# Altium PCB PCB1-recovery2.PcbDoc (part 5 of 5)
Units mil, origin at the board's own origin, x right, y up, seen from the top; angles counter-clockwise.
Board outline 7874.02 x 4566.93 mil, 8 copper layers (HIGH_SPEED_TOP, GND PLANE1, LOW_SPEED, +1V8_3V3_5V, +12V, SIGNAL, GND_PLANE3, HIGH_SPEED_BOT), stack 62.99 mil thick; 506 components, 435 nets, 2446 pads, 256 vias.
Unrouted connection lines stored in the file: 953.
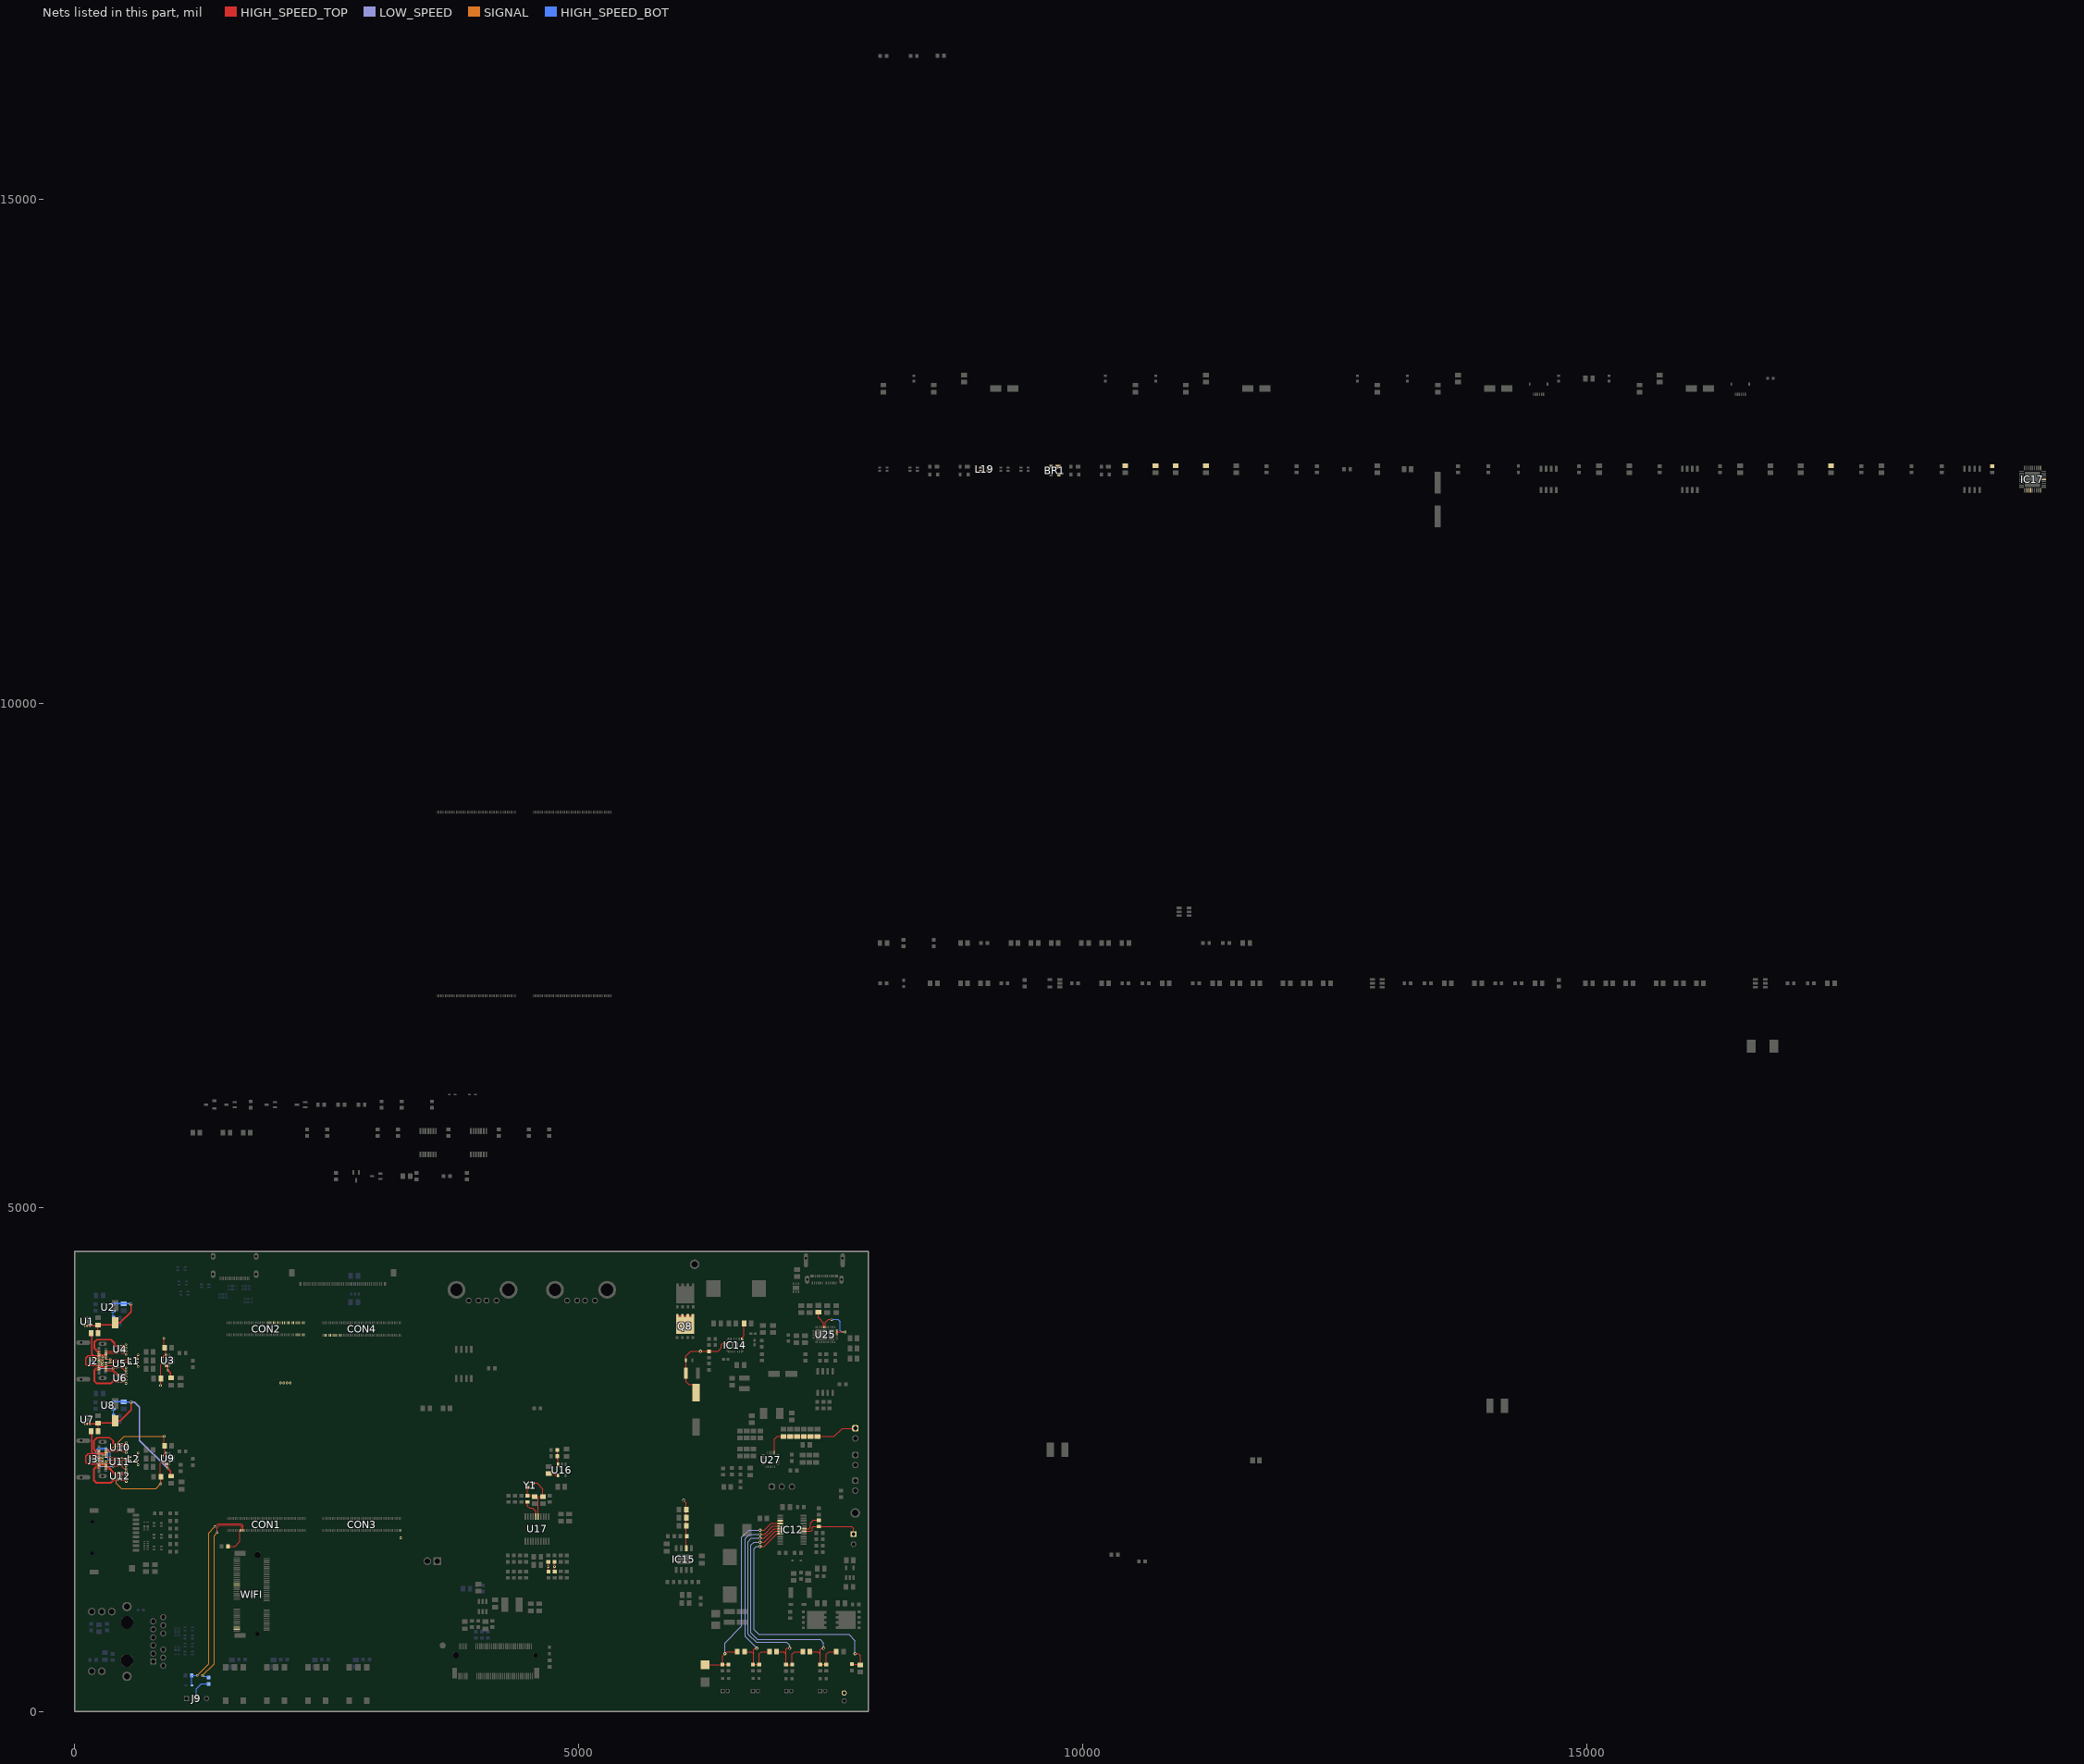
[diagram p11: the nets of this part, all layers, seen from the top]

## Via types
v1: diameter 32, hole 16, HIGH_SPEED_TOP to HIGH_SPEED_BOT, 119 vias
v2: diameter 24, hole 12, HIGH_SPEED_TOP to HIGH_SPEED_BOT, 112 vias
v3: diameter 23.62, hole 11.81, HIGH_SPEED_TOP to HIGH_SPEED_BOT, 24 vias
v4: diameter 40, hole 20, HIGH_SPEED_TOP to HIGH_SPEED_BOT, 1 vias

## Nets (pads, with @x,y where several pads share a name; then routed paths per layer and width w, separated by ;. In a path a pad name is that pad's centre, name@x,y a point inside that pad or via, vN(x,y) a via of type N, cw(c..) or ccw(c..) an arc to the next point about the centre after c; other vN are vias at no path point) (continued)
TX_M0: J9.2 R78.2 | length 234.5
  HIGH_SPEED_BOT w10: J9.2@1207,131 1207,226 1256.5,275.5 R78.2@1326,275.5
TYPE_CC1: C4.2 J2.A5 U3.10 U3.11 | length 244.8
  HIGH_SPEED_TOP w10: v2@273,3520 273.21,3519.79 305.72,3519.79 J2.A5@305.93,3519.58 ; U3.11@878.46,3513.83 878.46,3528.72 884.32,3534.58 U3.10@901.18,3534.58 901.18,3600.17 C4.2@890.75,3610.61 ; C4.2@883.88,3614.18 885,3615.3 v2@885,3705
  other v2: 272.9,3519.54 884.9,3704.54
TYPE_CC1_J3: C19.2 J3.A5 U9.10 U9.11 | length 933.5
  HIGH_SPEED_TOP w10: v2(274,2546) 274.21,2545.79 306.72,2545.79 J3.A5@306.93,2545.58 ; U9.11@862.78,2539.83 870.65,2539.83 883.53,2552.71 893.37,2552.71 894.28,2553.61 894.28,2627.05 C19.2@887.34,2633.99 ; C19.2@884.88,2640.18 886,2641.3 v2(886,2731)
  SIGNAL w10: v2(274,2546) 305,2546 490,2731 v2(886,2731)
TYPE_CC2: C5.2 J2.B5 U3.1 U3.14 | length 315.1
  HIGH_SPEED_TOP w10: J2.B5@239,3450.68 J2.B5@239.88,3449.78 259.39,3449.82 268.21,3441 v2@272,3441 ; v2@850,3235 850,3443 859.97,3452.97 868.78,3452.97 U3.14@869.69,3453.87 877.56,3453.87 878.46,3452.97 878.46,3447.76 884.32,3441.91 894.42,3441.91 895.32,3441 900.28,3441 U3.1@900.28,3434.11
  other v2: 849.9,3234.54 271.9,3440.54
TYPE_CC2_J3: C20.2 J3.B5 U9.1 U9.14 | length 1084.4
  HIGH_SPEED_TOP w10: J3.B5@240,2476.68 240.87,2475.82 260.39,2475.82 269.21,2467 v2(273,2467) ; C20.2@845.71,2330.82 845.71,2463.71 854,2472 854,2479.87 854.91,2480.78 877.65,2480.78 878.56,2479.87 878.56,2473.76 884.42,2467.9 900.37,2467.9 901.28,2467 U9.1@901.28,2453.62 ; C20.2@846.75,2333.51 851,2329.26 v2(851,2261)
  SIGNAL w10: v2(273,2467) 273.59,2466.41 290.59,2466.41 411,2346 411,2264 461,2214 804,2214 v2(851,2261)
TYPEC0_D_N: J2.A7 J2.B7 L1.2 U5.2 U5.9 | length 247.4
  HIGH_SPEED_TOP w10: J2.B7@239,3490.05 239.87,3490.92 270.92,3490.92 v2@273,3493 ; J2.A7@306.81,3459.62 341.19,3459.62 346.11,3464.54 v2(349.9,3464.54) 353.69,3464.54 360.33,3471.18 U5.2@427.27,3471.18 ; U5.9@460.73,3471.18 533.76,3471.18 538.69,3466.25 L1.2@545.58,3466.25
  other v2: 272.9,3492.54
TYPEC0_D_P: J2.A6 J2.B6 L1.1 U5.1 U5.10 | length 246.2
  HIGH_SPEED_TOP w10: J2.B6@239,3470.37 J2.B6@239.88,3469.46 265.04,3469.5 268.21,3466.33 v2@272,3466.33 ; J2.A6@306.81,3498.99 341.66,3498.99 347.11,3493.54 v2(350.9,3493.54) 352.51,3491.93 426.2,3491.93 U5.1@427.27,3490.87 ; U5.10@460.73,3490.87 531.81,3490.87 538.69,3497.75 L1.1@545.58,3497.75
  other v2: 271.9,3465.88
TYPEC0_OTG_N: CON2.92 L1.3 | length 48.6
  HIGH_SPEED_TOP w10: L1.3@618.42,3466.25 621.45,3466.25 624.32,3463.38 624.32,3425.68 v2@627,3423
  other v2: 2072,3261 626.9,3422.54
TYPEC0_OTG_P: CON2.90 L1.4 | length 48.6
  HIGH_SPEED_TOP w10: L1.4@618.42,3497.75 621.45,3497.75 624.32,3500.62 624.32,3538.32 v2@627,3541
  other v2: 2039,3261 626.9,3540.54
TYPEC0_SBU1_OUT: CON4.4 J2.A8 U5.4 U5.7 | length 179.1
  HIGH_SPEED_TOP w10: J2.A8@306.81,3439.94 314.72,3439.94 315.59,3439.07 315.59,3437.67 321.45,3431.81 U5.4@427.27,3431.81 ; U5.7@460.73,3431.81 487.19,3431.81 v2@507,3412
  other v2: 506.9,3411.54
TYPEC0_SBU2_OUT: CON4.6 J2.B8 U5.5 U5.6 | length 427.9
  HIGH_SPEED_TOP w10: v2@171,3485 195.74,3509.74 J2.B8@239,3509.74 ; v2@379,3407 382.79,3407 387.92,3412.13 U5.5@427.27,3412.13 ; U5.6@460.73,3412.13 465.5,3412.13 493.63,3384 v2@508,3384
  LOW_SPEED w10: v2@171,3485 249,3407 v2@379,3407
  other v2: 507.9,3383.54 378.9,3406.54 170.9,3484.54
TYPEC0_SSRX1_N: CON2.73 J2.B10 U4.1 U4.10 | length 482.8
  HIGH_SPEED_TOP w10: J2.B10@239.88,3548.2 231.97,3548.2 231.1,3549.07 231.1,3556.98 190.9,3597.19 190.9,3670.25 216.83,3696.18 359.97,3696.18 397.9,3658.25 397.9,3641.11 407.54,3631.47 U4.1@429.13,3631.47 ; U4.10@462.6,3632.37 496.58,3632.37 505.21,3641 v2@509,3641
  other v2: 508.9,3640.54
TYPEC0_SSRX1_P: CON2.71 J2.B11 U4.2 U4.9 | length 443.9
  HIGH_SPEED_TOP w10: J2.B11@239.88,3567.89 231.97,3567.89 231.1,3568.76 231.1,3576.67 200.9,3606.87 200.9,3666.11 223.9,3689.11 352.9,3689.11 387.9,3654.11 387.9,3641.11 402.01,3626.99 409.17,3626.99 424.37,3611.79 U4.2@429.13,3611.79 ; U4.9@462.6,3611.62 506.38,3611.62 v2@509,3609
  other v2: 508.9,3608.54
TYPEC0_SSRX2_N: CON2.61 J2.A10 U6.1 U6.10 | length 194.4
  HIGH_SPEED_TOP w10: J2.A10@306.81,3400.57 372.28,3400.57 424.37,3348.48 U6.1@429.13,3348.48 ; U6.10@461.68,3349.37 497.58,3349.37 505.21,3357 v2@509,3357
  other v2: 508.9,3356.54
TYPEC0_SSRX2_P: CON2.59 J2.A11 U6.2 U6.9 | length 193.7
  HIGH_SPEED_TOP w10: J2.A11@306.81,3380.88 372.28,3380.88 424.37,3328.8 U6.2@429.13,3328.8 ; U6.9@461.68,3329.69 499.19,3329.69 505.21,3323.67 v2@509,3323.67
  other v2: 508.9,3323.21
TYPEC0_SSTX1_N: CON2.67 J2.A3 U4.5 U4.6 | length 174.5
  HIGH_SPEED_TOP w10: J2.A3@306.81,3558.05 419.06,3558.05 424.37,3552.73 U4.5@429.13,3552.73 ; U4.6@462.6,3553.63 496.58,3553.63 505.21,3545 v2@509,3545
  other v2: 508.9,3544.54
TYPEC0_SSTX1_P: CON2.65 J2.A2 U4.4 U4.7 | length 172.5
  HIGH_SPEED_TOP w10: J2.A2@306.81,3577.73 419.06,3577.73 424.37,3572.42 U4.4@429.13,3572.42 ; U4.7@462.6,3573.32 501.88,3573.32 505.57,3577 v2@509,3577
  other v2: 508.9,3576.54
TYPEC0_SSTX2_N: CON2.55 J2.B3 U6.5 U6.6 | length 483
  HIGH_SPEED_TOP w10: J2.B3@239.88,3410.41 210.74,3410.41 191.76,3391.43 191.76,3275.25 211.9,3255.11 363.04,3255.11 384.97,3277.04 397.07,3277.04 403.31,3270.8 428.07,3270.8 U6.5@429.13,3269.74 ; U6.6@461.68,3270.63 491.58,3270.63 505.21,3257 v2@509,3257
  other v2: 508.9,3256.54
TYPEC0_SSTX2_P: CON2.53 J2.B2 U6.4 U6.7 | length 439.1
  HIGH_SPEED_TOP w10: J2.B2@239.88,3390.72 207.61,3390.72 201.76,3384.87 201.76,3275.25 211.9,3265.11 358.9,3265.11 383.21,3289.43 U6.4@429.13,3289.43 ; U6.7@461.69,3290.32 v2@508.99,3290.32
  other v2: 508.9,3289.88
TYPEC1_D_N: J3.A7 J3.B7 L2.2 U11.4 U11.7 | length 591.8
  HIGH_SPEED_TOP w10: J3.B7@240,2516.05 240.87,2516.92 271.92,2516.92 v2(274,2519) ; J3.A7@306.93,2486.53 342.74,2486.53 347.21,2491 v2(351,2491) 354.79,2491 360.97,2497.18 U11.7@428.27,2497.18 ; U11.4@461.73,2497.18 534.76,2497.18 539.69,2492.25 L2.2@546.58,2492.25
  HIGH_SPEED_BOT w10: v2(274,2519) 246,2519 242,2515 229.86,2515 217,2527.86 217,2572 247,2602 304,2602 331,2575 331,2500.9 338.22,2493.68 348.32,2493.68 v2(351,2491)
TYPEC1_D_P: J3.A6 J3.B6 L2.1 U11.5 U11.6 | length 626.4
  HIGH_SPEED_TOP w10: J3.B6@240,2496.37 240.87,2495.5 266.04,2495.5 269.21,2492.33 v2(273,2492.33) ; J3.A6@306.93,2525.9 342.32,2525.9 348.21,2520 v2(352,2520) 354.07,2517.93 427.21,2517.93 U11.6@428.27,2516.87 ; U11.5@461.73,2516.87 532.82,2516.87 539.69,2523.75 L2.1@546.58,2523.75
  HIGH_SPEED_BOT w10: v2(273,2492.33) 232.73,2492.33 203,2522.06 203,2586 233,2616 309.8,2616 352,2573.8 v2(352,2520)
TYPEC1_OTG_D_N: CON2.98 L2.3 | length 48.6
  HIGH_SPEED_TOP w10: L2.3@619.42,2492.25 622.45,2492.25 625.32,2489.38 625.32,2451.68 v2(628,2449)
  other v2: 2138,3261
TYPEC1_OTG_D_P: CON2.96 L2.4 | length 48.6
  HIGH_SPEED_TOP w10: L2.4@619.42,2523.75 622.45,2523.75 625.32,2526.62 625.32,2564.32 v2(628,2567)
  other v2: 2104,3261
TYPEC1_SBU1: CON4.10 J3.A8 U11.2 U11.9 | length 179.6
  HIGH_SPEED_TOP w10: J3.A8@306.93,2466.84 396.16,2466.84 405.19,2457.81 U11.9@428.27,2457.81 ; U11.2@461.73,2457.81 488.19,2457.81 v2(508,2438)
TYPEC1_SBU2: CON4.12 J3.B8 U11.1 U11.10 | length 430.7
  HIGH_SPEED_TOP w10: v2(172,2511) 196.74,2535.74 J3.B8@240,2535.74 ; v2(380,2433) 383.79,2433 388.92,2438.13 U11.10@428.27,2438.13 ; U11.1@461.73,2438.13 466.5,2438.13 467.56,2437.07 467.56,2432.3 489.86,2410 v2(509,2410)
  LOW_SPEED w10: v2(172,2511) 250,2433 v2(380,2433)
TYPEC1_SSRX1_N: CON2.97 J3.B10 U10.1 U10.10 | length 497
  HIGH_SPEED_TOP w10: J3.B10@240,2575.11 210.75,2575.11 187,2598.86 187,2690 221,2724 344,2724 389,2679 389,2664.23 394.86,2658.37 U10.1@429.22,2658.37 ; U10.10@462.69,2658.37 497.58,2658.37 506.21,2667 v2(510,2667)
TYPEC1_SSRX1_P: CON2.95 J3.B11 U10.2 U10.9 | length 475.4
  HIGH_SPEED_TOP w10: J3.B11@240,2594.79 205.21,2594.79 197,2603 197,2690 226,2719 344,2719 379,2684 379,2657.22 397.54,2638.69 U10.2@429.22,2638.69 ; U10.9@462.69,2638.69 463.75,2637.62 507.38,2637.62 v2(510,2635)
TYPEC1_SSRX2_N: CON2.85 J3.A10 U12.1 U12.10 | length 194.3
  HIGH_SPEED_TOP w10: J3.A10@306.93,2427.47 336.21,2427.47 388.31,2375.37 U12.1@429.22,2375.37 ; U12.10@462.69,2375.37 498.58,2375.37 506.21,2383 v2(510,2383)
TYPEC1_SSRX2_P: CON2.83 J3.A11 U12.2 U12.9 | length 193.7
  HIGH_SPEED_TOP w10: J3.A11@306.93,2407.79 336.21,2407.79 388.31,2355.69 U12.2@429.22,2355.69 ; U12.9@462.69,2355.69 500.19,2355.69 506.21,2349.67 v2(510,2349.67)
TYPEC1_SSTX1_N: CON2.91 J3.A3 U10.5 U10.6 | length 175.4
  HIGH_SPEED_TOP w10: J3.A3@306.93,2584.95 419.13,2584.95 424.46,2579.63 U10.5@429.22,2579.63 ; U10.6@462.69,2579.63 497.58,2579.63 506.21,2571 v2(510,2571)
TYPEC1_SSTX1_P: CON2.89 J3.A2 U10.4 U10.7 | length 173.3
  HIGH_SPEED_TOP w10: J3.A2@306.93,2604.64 366.99,2604.64 372.31,2599.32 U10.4@429.22,2599.32 ; U10.7@462.69,2599.32 463.75,2600.38 507.38,2600.38 v2(510,2603)
TYPEC1_SSTX2_N: CON2.79 J3.B3 U12.5 U12.6 | length 502.2
  HIGH_SPEED_TOP w10: J3.B3@240,2437.31 213.78,2437.31 185,2408.54 185,2292.46 209.46,2268 360.75,2268 389.38,2296.63 U12.5@429.22,2296.63 ; U12.6@462.69,2296.63 492.58,2296.63 506.21,2283 v2(510,2283)
TYPEC1_SSTX2_P: CON2.77 J3.B2 U12.4 U12.7 | length 463.4
  HIGH_SPEED_TOP w10: J3.B2@240,2417.63 208.24,2417.63 195,2404.39 195,2296.6 213.61,2278 356.61,2278 394.92,2316.32 U12.4@429.22,2316.32 ; U12.7@462.69,2316.32 v2@509.99,2316.32
  other v2: 510,2316.33
U2_ISET: R2.2 R3.2 U2.3 | length 127.6
  HIGH_SPEED_BOT w10: U2.3@381.18,3974.6 381.18,3910.32 383.5,3908 R2.2@383.5,3848
U8_ISET: R8.2 R9.2 U8.3 | length 127.6
  HIGH_SPEED_BOT w10: U8.3@382.18,3000.6 382.18,2936.32 R9.2@384.5,2934 R8.2@384.5,2874
U16_BP: C27.2 U16.4 | length 100.4
  HIGH_SPEED_TOP w10: C27.2@4702,2361.57 4702.57,2361 4751,2361 4768.25,2343.75 U16.4@4795.01,2343.75
U16_EN: R22.1 R23.2 U16.3 | length 146.1
  HIGH_SPEED_TOP w10: R22.1@4787.99,2595 4787.5,2594.5 R23.2@4787.5,2534 4789,2532.5 4789,2504 4795.01,2497.99 U16.3@4795.01,2452.25
UART2_RX_M0_DEBUG: CON1.22 D3.2 R77.1 | length 2051
  HIGH_SPEED_TOP w10: v2(1390,1835) 1420,1865 1649,1865 1670,1844 1670,1795.6 CON1.22@1669.8,1795.41
  SIGNAL w10: v2(1214,360) 1329,475 1329,1774 v2(1390,1835)
  HIGH_SPEED_BOT w10: D3.2@1160.53,261 1160.53,357.97 R77.1@1159.5,359 1160.5,360 v2(1214,360)
UART2_TX_M0_DEBUG: CON1.20 R78.1 | length 1894.1
  HIGH_SPEED_TOP w10: v2(1413,1776) 1412,1777 1412,1826 1435,1849 1643,1849 1654.06,1837.94 CON1.20@1654.06,1795.41
  SIGNAL w10: v2(1267,359) 1382,474 1382,1745 v2(1413,1776)
  HIGH_SPEED_BOT w10: v2(1267,359) 1270.79,359 1278.58,351.21 1313.28,351.21 R78.1@1326,338.5
UP_N: IC17.30 L19.2
UP_P: IC17.31 L19.1
USB20_HOST0_D_N: BR1.4 CON4.24 L19.3
USB20_HOST0_D_P: BR1.2 CON4.22 L19.4
USB20_HOST1_D_N: CON4.18 WIFI.5
USB20_HOST1_D_P: CON4.16 WIFI.3
USBC_A_VBUS: C1.1 C3.2 C10.2 C11.1 J2.A4 J2.A9 J2.B4 J2.B9 L26.1 L26.2 U1.4 U1.5 U1.6 U2.1 U3.2 | length 1711.6
  HIGH_SPEED_TOP w10: L26.2@228.46,3755 228.46,3753.54 230,3752 230,3836.57 C1.1@229,3837.57 ; U3.2@920.9,3431.11 U3.2@920.9,3432.25
  HIGH_SPEED_TOP w11.81: U1.4@96.41,3828.65 122.91,3828.65 C1.1@220.08,3828.65 ; L26.1@166,3755 166,3548.64 185.21,3529.42 ; C1.1@216,3824.57 C1.1@220.08,3828.65 ; J2.A9@305.89,3421.12 259.15,3421.12 250.14,3430.13 J2.B4@239.88,3430.09 239,3431 127,3431 109,3449 109,3507 131.42,3529.42 185.21,3529.42 ; J2.A4@305.93,3539.27 261.95,3539.27 252.98,3530.29 239.87,3530.29 239,3529.42 185.21,3529.42 ; v1@556,4046 556,3965 450.35,3859.35 399,3859.35 377.21,3837.57 229,3837.57 C1.1@220.08,3828.65 ; U3.2@919.28,3431.11 919.28,3387.25 946.28,3360.25 C10.2@946.28,3310.92
  HIGH_SPEED_BOT w11.81: U2.1@381.18,4049.4 482.03,4049.4 485.43,4046 v1@556,4046
  other v1: 555.9,4045.54
  other v2: 919.17,3386.79
USBC_B_VBUS: C13.2 C18.2 C185.1 C186.1 J3.A4 J3.A9 J3.B4 J3.B9 L27.1 L27.2 U7.4 U7.5 U7.6 U8.1 U9.2 | length 2543.7
  HIGH_SPEED_TOP w10: L27.2@229.46,2781 229.46,2779.54 231,2778 231,2862.57 C185.1@230,2863.57
  HIGH_SPEED_TOP w11.81: U7.4@97.41,2854.64 U7.5@123,2854.64 U7.6@148.59,2854.64 C185.1@221.08,2854.64 ; L27.1@167,2781 167,2574.64 186.21,2555.42 ; C185.1@217,2850.57 C185.1@221.08,2854.64 ; J3.A9@306.9,2447.12 260.16,2447.12 251.14,2456.13 240.87,2456.13 J3.B4@240,2457 128,2457 110,2475 110,2533 132.43,2555.42 186.21,2555.42 ; J3.A4@306.93,2565.27 262.95,2565.27 253.98,2556.29 240.87,2556.29 J3.B9@240,2555.42 186.21,2555.42 ; v1(557,3072) 557,2991 451.36,2885.35 C186.1@400,2885.35 378.21,2863.57 C185.1@230,2863.57 C185.1@221.08,2854.64 ; U9.2@920.28,2459.81 v2(920.28,2413.25) 947.28,2386.25 C18.2@947.28,2336.92
  LOW_SPEED w11.81: v1(557,3072) 592,3072 643,3021 643,2689 918.75,2413.25 v2(920.28,2413.25)
  HIGH_SPEED_BOT w11.81: U8.1@382.18,3075.4 483.03,3075.4 C13.2@485,3073.43 486.43,3072 v1(557,3072)
VBAT_RTC: CON3.100 RTC_BAT.2
  other v2: 3233,1724
VBUS: L15.2 U25.23 U25.24 U25.25 U25.32 U25.33 | length 665.5
  HIGH_SPEED_TOP w7.87: L15.2@7375,3962.54 7375,3911 7428.46,3857.54 U25.33@7428.46,3815.62 7428.56,3815.52 U25.32@7444.21,3815.52 ; U25.32@7444.21,3815.42 U25.32@7444.21,3815.52 ; v2(7510,3889) 7509,3890 7476,3890 7444.21,3858.21 U25.32@7444.21,3815.52 ; U25.23@7558.39,3748.49 7558.26,3748.49 7558.26,3784.91 U25.25@7558.39,3784.91 ; U25.24@7558.39,3766.21 7643.79,3766.21 v2(7644,3766)
  HIGH_SPEED_BOT w7.87: v2(7510,3889) 7511,3890 7570,3890 7592,3868 7592,3782 7608,3766 v2(7644,3766)
VBUS_UP: BR1.1 C154.1 R160.1
VC0: C129.1 IC12.8 R139.2 | length 2540.8
  HIGH_SPEED_TOP w7.87: v1(6797,1640) 6839,1640 6962.1,1763.1 6996.81,1763.1 IC12.8@6998.33,1764.61 ; R139.2@7710,470.5 7786.08,470.5 C129.1@7793,463.57 7793,556 7774,575 v1(7741,575)
  LOW_SPEED w7.87: v1(6797,1640) 6762,1640 6738,1616 6738,813 6785,766 7680,766 7741,705 v1(7741,575)
VC1: C125.1 C128.2 IC12.7 R134.2 R137.2 | length 2605.1
  HIGH_SPEED_TOP w7.87: v1(6797,1680) 6840,1680 6950.2,1790.2 IC12.7@6998.33,1790.2 ; C125.1@7292.43,595 7370,595 7396,569 ; v1(7429,628) 7407,628 7396,617 7396,569 ; C128.2@7554.57,595 7480,595 7455,570 R134.2@7455,468.5 R137.2@7395,468.5 7396,469.5 7396,569
  LOW_SPEED w7.87: v1(6797,1680) 6737,1680 6708,1651 6708,783 6773,718 7393,718 7429,682 v1(7429,628)
VC2: C121.1 C125.2 IC12.6 R132.2 R133.2 | length 2354.5
  HIGH_SPEED_TOP w7.87: v1(6797,1720) 6840.48,1720 6936.28,1815.8 IC12.6@6998.33,1815.8 ; C121.1@6961.43,595 7031,595 7056,570 ; v1(7090,628) 7088,630 7066,630 7056,620 7056,570 ; C125.2@7221.57,595 7142,595 7117,570 R132.2@7117,466.5 R133.2@7056,466.5 7056,570
  LOW_SPEED w7.87: v1(6797,1720) 6713,1720 6679,1686 6679,769 6760,688 7061,688 7090,659 v1(7090,628)
VC3: C120.1 C121.2 IC12.5 R130.2 R131.2 | length 2095.6
  HIGH_SPEED_TOP w7.87: C120.1@6643.43,595 6712,595 6732,575 ; v1(6767,628) 6765,626 6745,626 6732,613 6732,575 ; v1(6797,1760) 6843,1760 6924.39,1841.39 IC12.5@6998.33,1841.39 ; C121.2@6890.57,595 6811,595 6789,573 R130.2@6789,468.5 R131.2@6728,468.5 6732,472.5 6732,575
  LOW_SPEED w7.87: v1(6767,628) 6652,743 6652,1718.23 6693.77,1760 v1(6797,1760)
VC4: C120.2 D5.1 IC12.3 IC12.4 R123.2 R126.2 | length 2169.6
  HIGH_SPEED_TOP w7.87: D5.1@6252,465.61 6422.12,465.61 R126.2@6425,468.5 ; R123.2@6484,468.5 R126.2@6425,468.5 ; C120.2@6572.57,595 6470.02,595.02 v1(6449,574) 6425,550 R126.2@6425,468.5 ; v1(6797,1800) 6841,1800 6907.98,1866.98 IC12.4@6998.33,1866.98 IC12.3@6998.33,1892.57
  LOW_SPEED w7.87: v1(6449,574) 6449,680 6617,848 6617,1729 6688,1800 v1(6797,1800)
VCC_(1,2): C141.2 IC14.19 IC14.30 | length 159.6
  HIGH_SPEED_TOP w7.87: IC14.19@6614.37,3700.43 6614.37,3703.88 6638.57,3728.07 C141.2@6638.57,3850
VCC_SYS: C106.2 C107.2 C108.2 C109.2 C110.2 C111.2 C134.1 C135.2 C136.2 C143.2 C144.2 C145.2 IC14.3 IC15.2 JP1.1 Q8.5 Q8.6 Q8.7 Q8.8 Q8.9 R144.2 R153.2 U27.25 | length 2660.8
  HIGH_SPEED_TOP w7.87: Q8.8@5976.97,3930.58 Q8.7@6028.35,3930.58 Q8.6@6079.29,3930.58 Q8.5@6130.67,3930.58 ; R144.2@6291,3574.5 6379.5,3574.5 6412,3607 6412,3638 6428.69,3654.68 IC14.3@6478.07,3654.68 ; U27.25@6938.43,2568.93 6938.43,2703.43 6967,2732 7028.4,2732 C106.2@7030,2730.4 C107.2@7097.28,2730.4 C108.2@7164.57,2730.4 C109.2@7231.85,2730.4 C110.2@7299.14,2730.4 C111.2@7357.6,2730.4 ; C111.2@7366.42,2730.4 7533.4,2730.4 7614,2811 JP1.1@7743,2811
  HIGH_SPEED_TOP w10: Q8.8@5976.97,3930.58 5976.97,3912.69 6044.66,3845 v1(6051,3845) ; v1(6039,2096) 6040.95,2096 6065.43,2071.52 6065.43,2001 C144.2@6065.43,1924 C145.2@6065.43,1844 6065.43,1746.06 R153.2@6070.5,1741 6066,1736.5 IC15.2@6066,1618.77 ; C136.2@6061,3484.75 6061,3527 6108,3574 v1(6206,3574) 6290.5,3574 R144.2@6291,3574.5 ; C136.2@6062.5,3487 6062.5,3358.3 C135.2@6060.25,3356.05 6064,3352.3 6064,3273 6089.61,3247.39 6129.2,3247.39 6161.6,3214.98 C134.1@6161.6,3165.77
VDC_MODE: CON1.18 R74.2 | length 246.3
  HIGH_SPEED_TOP w10: R74.2@1519.5,1639 1589,1639 1638.31,1688.31 CON1.18@1638.31,1795.41
VDDA33: C162.1 C163.1 C164.1 C165.1 IC17.5 IC17.10 IC17.29 IC17.36
VTB: IC12.18 R120.2 RT1.1 | length 592.1
  HIGH_SPEED_TOP w7.87: IC12.18@7229.67,1790.2 7301.2,1790.2 7315,1804 7315,1826 7325.5,1836.5 R120.2@7381.87,1836.5 7706.5,1836.5 7725,1818 RT1.1@7725,1761
VTB1: IC12.19 R120.1 | length 209.4
  HIGH_SPEED_TOP w7.87: IC12.19@7229.67,1815.8 7283.8,1815.8 7298,1830 7298,1870 7327.5,1899.5 R120.1@7381,1899.5
WIFI_REFCLK_A_N: R119.2 R159.1 WIFI.49 | length 96.3
  HIGH_SPEED_TOP w10: R119.2@4698,1485.5 4697,1484.5 v2(4697,1439) 4697,1392.5 R159.1@4699,1390.5
WIFI_REFCLK_A_P: R118.2 R121.1 WIFI.47 | length 95.7
  HIGH_SPEED_TOP w10: R118.2@4759,1485.5 4758.67,1485.17 v2(4758.67,1439) 4758.67,1391.83 R121.1@4760,1390.5
X1: C33.2 U17.5 Y1.1 | length 431
  HIGH_SPEED_TOP w10: Y1.1@4546.57,2266.67 4547.24,2266 4586,2266 4643,2209 C33.2@4643,2134.43 4642.57,2134 4611,2134 4597.8,2120.8 U17.5@4597.8,1935.5
X2: R25.2 U17.6 | length 193.5
  HIGH_SPEED_TOP w10: R25.2@4491,2079.5 4491,2040 4513,2018 4540,2018 4572.2,1985.8 U17.6@4572.2,1935.5
Y1_3: C34.2 R25.1 Y1.3 | length 158.2
  HIGH_SPEED_TOP w10: Y1.3@4493.43,2225.33 4491,2222.9 R25.1@4491,2142.5 4553.94,2142.5 C34.2@4562,2134.43
pads on no net: CON1.14 CON1.23 CON1.25 CON1.26 CON1.29 CON1.31 CON1.32 CON1.35 CON1.36 CON1.37 CON1.38 CON1.41 CON1.42 CON1.43 CON1.44 CON1.47 CON1.48 CON1.49 CON1.50 CON1.53 CON1.54 CON1.55 CON1.56 CON1.59 CON1.60 CON1.61 CON1.62 CON1.65 CON1.66 CON1.67 CON1.68 CON1.71 CON1.75 CON1.93 CON1.95 CON1.97 CON2.2 CON2.3 CON2.4 CON2.6 CON2.8 CON2.11 CON2.12 CON2.13 CON2.14 CON2.17 CON2.18 CON2.19 CON2.20 CON2.23 CON2.24 CON2.25 CON2.26 CON2.29 CON2.30 CON2.31 CON2.32 CON2.35 CON2.36 CON2.37 CON2.38 CON2.41 CON2.42 CON2.43 CON2.44 CON2.47 CON2.48 CON2.49 CON2.50 CON2.54 CON2.56 CON2.60 CON2.62 CON2.66 CON2.68 CON2.72 CON2.74 CON2.78 CON2.80 CON2.84 CON2.86 CON3.21 CON3.23 CON3.27 CON3.29 CON3.33 CON3.35 CON3.41 CON3.43 CON3.45 CON3.57 CON3.61 CON3.63 CON3.66 CON3.74 CON3.76 CON3.78 CON3.80 CON3.82 CON3.83 CON3.86 CON3.87 CON3.88 CON3.89 CON3.90 CON3.91 CON3.92 CON3.93 CON3.97 CON3.99 CON4.28 CON4.30 CON4.34 CON4.36 CON4.40 CON4.42 CON4.46 CON4.48 CON4.71 CON4.72 CON4.73 CON4.74 CON4.75 CON4.76 CON4.77 CON4.78 CON4.82 CON4.84 CON4.86 CON4.88 CON4.92 CON4.94 CON4.95 eDP1.1 eDP1.2 eDP1.3 eDP1.4 eDP1.5 eDP1.6 eDP1.7 eDP1.8 eDP1.9 eDP1.13 eDP1.20 eDP1.40 ETH1. ETH1.1 ETH1.6 ETH1.7 ETH1.12 ETH1.15 IC14.16 IC16.4 IC18.4 J1.1 J1.3 J1.5 J1.7 J1.9 J1.11 J1.13 J1.15 J1.17 J1.19 J1.21 J1.23 J1.25 J1.27 J1.29 J1.31 J1.33 J1.35 J1.37 J1.39 J1.41 J1.43 J1.45 J1.47 J1.49 J1.51 J1.53 J1.55 J1.57 J1.59 J1.61 J1.63 J1.65 J1.67 J1.69 J1.71 J1.73 J1.75 J1.77 J1.79 J1.81 J1.83 J1.85 J1.87 J1.89 J1.91 J1.93 J1.95 J1.97 J1.99 J1.102 J1.104 J1.106 J1.108 J1.110 J1.112 J1.114 J1.116 J1.118 J1.120 J1.122 J1.124 J1.126 J1.128 J1.130 J1.132 J1.134 J1.136 J1.138 J1.140 J1.142 J1.144 J1.146 J1.148 J1.150 J1.152 J1.154 J1.156 J1.158 J1.160 J1.162 J1.164 J1.166 J1.168 J1.170 J1.172 J1.174 J1.176 J1.178 J1.180 J1.182 J1.184 J1.186 J1.188 J1.190 J1.192 J1.194 J1.196 J1.198 J1.200 J1.201 J1.203 J1.205 J1.207 J1.209 J1.211 J1.213 J1.215 J1.217 J1.219 J1.221 J1.223 J1.225 J1.227 J1.229 J1.231 J1.233 J1.235 J1.237 J1.239 J1.241 J1.243 J1.245 J1.247 J1.249 J1.251 J1.253 J1.255 J1.257 J1.259 J1.261 J1.263 J1.265 J1.267 J1.269 J1.271 J1.273 J1.275 J1.277 J1.279 J1.281 J1.283 J1.285 J1.287 J1.289 J1.291 J1.293 J1.295 J1.297 J1.299 J1.302 J1.304 J1.306 J1.308 J1.310 J1.312 J1.314 J1.316 J1.318 J1.320 J1.322 J1.324 J1.326 J1.328 J1.330 J1.332 J1.334 J1.336 J1.338 J1.340 J1.342 J1.344 J1.346 J1.348 J1.350 J1.352 J1.354 J1.356 J1.358 J1.360 J1.362 J1.364 J1.366 J1.368 J1.370 J1.372 J1.374 J1.376 J1.378 J1.380 J1.382 J1.384 J1.386 J1.388 J1.390 J1.392 J1.394 J1.396 J1.398 J1.400 J7. J8.A2 J8.A3 J8.A8 J8.A10 J8.A11 J8.B2 J8.B3 J8.B8 J8.B10 J8.B11 J13.2 J13.3 J14.2 J14.3 Mask.3 Mask.4 Mask.5 NVME. NVME.6 NVME.8 NVME.20 NVME.22 NVME.24 NVME.26 NVME.28 NVME.30 NVME.32 NVME.34 NVME.36 NVME.38 NVME.40 NVME.42 NVME.44 NVME.46 NVME.48 NVME.56 NVME.58 NVME.67 NVME.68 NVME.69 NVME.S1 NVME.S2 Power.3 Power.4 Power.5 Q2.2 Recovery.3 Recovery.4 Recovery.5 Reset.3 Reset.4 Reset.5 U3.3 U3.8 U9.3 U9.8 U13. U13.4 U20.1 U20.2 U20.9 U20.10 U25.5 U25.6 U25.7 U25.13 U25.19 U25.36 U25.37 U27.6 U27.7 U27.12 U27.21 WIFI. WIFI.6 WIFI.16 WIFI.38 WIFI.40 WIFI.44 WIFI.46 WIFI.48 WIFI.50 WIFI.58 WIFI.59 WIFI.60 WIFI.61 WIFI.62 WIFI.64 WIFI.65 WIFI.66 WIFI.67 WIFI.68 WIFI.71 WIFI.73
copper on no net: | length 2992.4
  LOW_SPEED w11.81: 556,4046 591,4046 642,3995 642,3663 917.75,3387.25 919.28,3387.25
  SIGNAL w10: 272,3441 272.59,3440.41 289.59,3440.41 410,3320 410,3238 460,3188 ; 273,3520 304,3520 489,3705 885,3705 ; 460.17,3188.34 803.17,3188.34 ; 803,3188 850,3235
  HIGH_SPEED_BOT w10: 272,3466.33 231.73,3466.33 202,3496.06 202,3560 232,3590 308.8,3590 351,3547.8 351,3494 ; 273,3493 245,3493 241,3489 228.86,3489 216,3501.86 216,3546 246,3576 303,3576 330,3549 330,3474.9 337.22,3467.68 347.32,3467.68 350,3465
  other v1: 1220,957 1216,1006 1201,1066 1204,1126

## Polygon pours and split planes (outlines as drawn)
GND on GND PLANE1 (split plane): 7853.92,20.1 20.1,20.1 20.1,738.19 20.1,4546.83 7853.92,4546.83
no net on +1V8_3V3_5V (split plane): 7853.92,20.1 20.1,20.1 20.1,738.19 20.1,4546.83 7853.92,4546.83
no net on +12V (split plane): 7853.92,20.1 20.1,20.1 20.1,738.19 20.1,4546.83 7853.92,4546.83
no net on GND_PLANE3 (split plane): 7853.92,20.1 20.1,20.1 20.1,738.19 20.1,4546.83 7853.92,4546.83

## Other copper
GND PLANE1 (plane layer: these items are gaps in the copper):
  lines w10: 517,350 424,443 424,949 517,1042
  lines w19.68: 195.9,2688.1 64.02,2688.1 54,2678.09 54,2334.34 64.02,2324.32 235.68,2324.32 247.49,2336.13 264.37,2336.13 275.04,2336.13 ; 207.71,2676.29 275.04,2676.29 ; 274.04,3310.13 263.37,3310.13 246.49,3310.13 234.68,3298.32 63.02,3298.32 53,3308.34 53,3652.09 63.02,3662.1 194.9,3662.1 206.71,3650.29 274.04,3650.29
+1V8_3V3_5V (plane layer: these items are gaps in the copper):
  lines w10: 3233,1724 3233,1710 3260,1683 3260,518 3652,126 6033,126 6072,87 7490,87 7588,185 7632,185 ; 4308,2223 4932.05,2223 4940.05,2231 4946,2231 ; 7262,3873 7262,3539.76 7318.14,3483.62
+12V (plane layer: these items are gaps in the copper):
  lines w10: 6047,3845 6047,3656 6124,3579 6193,3579 ; 6202,3574 6073,3574 6038,3574 5993,3529 5993,2153 5993,2141 6038,2096 7120,2096 7578,2554 7578,2650 7739,2811 ; 6486.5,3440.5 6720.5,3440.5

## Silkscreen, mask and mechanical layers (free items; w line width, h text height)
Top Overlay:
  text "PW_SYS_BAK" at 7835.9,2645 h40 r90
  text "POWER_BAK" at 7833.9,2384 h40 r90
  text "For internal debug" at 6859,2146.51 h40
  text "PEWAKE TP" at 3396,648 h40
  text ".NomDeProjet" at 2125.98,-937.37 h40
  text ".Revision" at 2204.72,-983.81 h40
Board:
  lines w7.87: 0,0 7874.02,0 7874.02,246.06 7874.02,738.19 7874.02,4566.93 2204.73,4566.93 0,4566.93 0,738.19 0,246.06 0,0
Drill Drawing:
  drawing of 562 lines, arcs and shapes, not listed
  text "Symbol" at 18878.22,17190.88 h48
  text "Count" at 19066.15,17190.88 h48
  text "Hole Size" at 19261.05,17190.88 h48
  text "Plated" at 19646.13,17190.88 h48
  text "Hole Type" at 19811.11,17190.88 h48
  text "Drill Layer Pair" at 20051.3,17190.88 h48
  text "Via/Pad" at 20777.33,17190.88 h48
  text "Pad Shape" at 20974.15,17190.88 h48
  text "Hole Length" at 21231.26,17190.88 h48
  text "24" at 19066.15,17108.1 h40
  text "0.300mm (11.81mil)" at 19261.05,17108.1 h40
  text "PTH" at 19646.13,17108.1 h40
  text "Round" at 19811.11,17108.1 h40
  text "HIGH_SPEED_TOP - HIGH_SPEED_BOT" at 20051.3,17108.1 h40
  text "Via" at 20777.33,17108.1 h40
  text "Rounded" at 20974.15,17108.1 h40
  text "-" at 21231.26,17108.1 h40
  text "F" at 18859.08,17098.1 h36.79
  text "112" at 19066.15,17025.31 h40
  text "0.305mm (12.00mil)" at 19261.05,17025.31 h40
  text "PTH" at 19646.13,17025.31 h40
  text "Round" at 19811.11,17025.31 h40
  text "HIGH_SPEED_TOP - HIGH_SPEED_BOT" at 20051.3,17025.31 h40
  text "Via" at 20777.33,17025.31 h40
  text "Rounded" at 20974.15,17025.31 h40
  text "-" at 21231.26,17025.31 h40
  text "G" at 18859.08,17015.31 h36.79
  text "119" at 19066.15,16942.52 h40
  text "0.406mm (16.00mil)" at 19261.05,16942.52 h40
  text "PTH" at 19646.13,16942.52 h40
  text "Round" at 19811.11,16942.52 h40
  text "HIGH_SPEED_TOP - HIGH_SPEED_BOT" at 20051.3,16942.52 h40
  text "Via" at 20777.33,16942.52 h40
  text "Rounded" at 20974.15,16942.52 h40
  text "-" at 21231.26,16942.52 h40
  text "H" at 18859.08,16932.53 h36.79
  text "1" at 19066.15,16859.73 h40
  text "0.508mm (20.00mil)" at 19261.05,16859.73 h40
  text "PTH" at 19646.13,16859.73 h40
  text "Round" at 19811.11,16859.73 h40
  text "HIGH_SPEED_TOP - HIGH_SPEED_BOT" at 20051.3,16859.73 h40
  text "Via" at 20777.33,16859.73 h40
  text "Rounded" at 20974.15,16859.73 h40
  text "-" at 21231.26,16859.73 h40
  text "2" at 19066.15,16776.95 h40
  text "0.600mm (23.62mil)" at 19261.05,16776.95 h40
  text "PTH" at 19646.13,16776.95 h40
  text "Slot" at 19811.11,16776.95 h40
  text "HIGH_SPEED_TOP - HIGH_SPEED_BOT" at 20051.3,16776.95 h40
  text "Pad" at 20777.33,16776.95 h40
  text "Rounded" at 20974.15,16776.95 h40
  text "1.100mm (43.31mil)" at 21231.26,16776.95 h40
  text "2" at 19066.15,16694.16 h40
  text "0.600mm (23.62mil)" at 19261.05,16694.16 h40
  text "PTH" at 19646.13,16694.16 h40
  text "Slot" at 19811.11,16694.16 h40
  text "HIGH_SPEED_TOP - HIGH_SPEED_BOT" at 20051.3,16694.16 h40
  text "Pad" at 20777.33,16694.16 h40
  text "Rounded" at 20974.15,16694.16 h40
  text "1.300mm (51.18mil)" at 21231.26,16694.16 h40
  text "6" at 19066.15,16611.37 h40
  text "0.600mm (23.62mil)" at 19261.05,16611.37 h40
  text "PTH" at 19646.13,16611.37 h40
  text "Slot" at 19811.11,16611.37 h40
  text "HIGH_SPEED_TOP - HIGH_SPEED_BOT" at 20051.3,16611.37 h40
  text "Pad" at 20777.33,16611.37 h40
  text "Rounded" at 20974.15,16611.37 h40
  text "1.600mm (62.99mil)" at 21231.26,16611.37 h40
  text "6" at 19066.15,16528.58 h40
  text "0.600mm (23.62mil)" at 19261.05,16528.58 h40
  text "PTH" at 19646.13,16528.58 h40
  text "Slot" at 19811.11,16528.58 h40
  text "HIGH_SPEED_TOP - HIGH_SPEED_BOT" at 20051.3,16528.58 h40
  text "Pad" at 20777.33,16528.58 h40
  text "Rounded" at 20974.15,16528.58 h40
  text "2.100mm (82.68mil)" at 21231.26,16528.58 h40
  text "8" at 19066.15,16445.8 h40
  text "0.700mm (27.56mil)" at 19261.05,16445.8 h40
  text "PTH" at 19646.13,16445.8 h40
  text "Round" at 19811.11,16445.8 h40
  text "HIGH_SPEED_TOP - HIGH_SPEED_BOT" at 20051.3,16445.8 h40
  text "Pad" at 20777.33,16445.8 h40
  text "(Mixed)" at 20974.15,16445.8 h40
  text "-" at 21231.26,16445.8 h40
  text "D" at 18859.08,16435.8 h36.79
  text "2" at 19066.15,16363.01 h40
  text "0.800mm (31.50mil)" at 19261.05,16363.01 h40
  text "PTH" at 19646.13,16363.01 h40
  text "Round" at 19811.11,16363.01 h40
  text "HIGH_SPEED_TOP - HIGH_SPEED_BOT" at 20051.3,16363.01 h40
  text "Pad" at 20777.33,16363.01 h40
  text "Rounded" at 20974.15,16363.01 h40
  text "-" at 21231.26,16363.01 h40
  text "I" at 18865.21,16353.02 h36.79
  text "3" at 19066.15,16280.22 h40
  text "0.850mm (33.47mil)" at 19261.05,16280.22 h40
  text "PTH" at 19646.13,16280.22 h40
  text "Round" at 19811.11,16280.22 h40
  text "HIGH_SPEED_TOP - HIGH_SPEED_BOT" at 20051.3,16280.22 h40
  text "Pad" at 20777.33,16280.22 h40
  text "(Mixed)" at 20974.15,16280.22 h40
  text "-" at 21231.26,16280.22 h40
  text "2" at 19066.15,16197.43 h40
  text "0.910mm (35.83mil)" at 19261.05,16197.43 h40
  text "PTH" at 19646.13,16197.43 h40
  text "Round" at 19811.11,16197.43 h40
  text "HIGH_SPEED_TOP - HIGH_SPEED_BOT" at 20051.3,16197.43 h40
  text "Pad" at 20777.33,16197.43 h40
  text "(Mixed)" at 20974.15,16197.43 h40
  text "-" at 21231.26,16197.43 h40
  text "E" at 18859.08,16187.44 h36.79
  text "2" at 19066.15,16114.65 h40
  text "1.000mm (39.37mil)" at 19261.05,16114.65 h40
  text "NPTH" at 19646.13,16114.65 h40
  text "Round" at 19811.11,16114.65 h40
  text "HIGH_SPEED_TOP - HIGH_SPEED_BOT" at 20051.3,16114.65 h40
  text "Pad" at 20777.33,16114.65 h40
  text "Rounded" at 20974.15,16114.65 h40
  text "-" at 21231.26,16114.65 h40
  text "8" at 19066.15,16031.86 h40
  text "1.000mm (39.37mil)" at 19261.05,16031.86 h40
  text "PTH" at 19646.13,16031.86 h40
  text "Round" at 19811.11,16031.86 h40
  text "HIGH_SPEED_TOP - HIGH_SPEED_BOT" at 20051.3,16031.86 h40
  text "Pad" at 20777.33,16031.86 h40
  text "Rounded" at 20974.15,16031.86 h40
  text "-" at 21231.26,16031.86 h40
  text "12" at 19066.15,15949.07 h40
  text "1.020mm (40.16mil)" at 19261.05,15949.07 h40
  text "PTH" at 19646.13,15949.07 h40
  text "Round" at 19811.11,15949.07 h40
  text "HIGH_SPEED_TOP - HIGH_SPEED_BOT" at 20051.3,15949.07 h40
  text "Pad" at 20777.33,15949.07 h40
  text "(Mixed)" at 20974.15,15949.07 h40
  text "-" at 21231.26,15949.07 h40
  text "A" at 18859.08,15939.08 h36.79
  text "Layer" at -37.33,15932 h40
  text "Name" at 130.06,15932 h40
  text "Thickness" at 557.12,15932 h40
  text "Gerber" at 796.07,15932 h40
  text "Board Layer Stack" at 986.04,15932 h40
  text "9" at 19066.15,15866.29 h40
  text "1.100mm (43.31mil)" at 19261.05,15866.29 h40
  text "PTH" at 19646.13,15866.29 h40
  text "Round" at 19811.11,15866.29 h40
  text "HIGH_SPEED_TOP - HIGH_SPEED_BOT" at 20051.3,15866.29 h40
  text "Pad" at 20777.33,15866.29 h40
  text "(Mixed)" at 20974.15,15866.29 h40
  text "-" at 21231.26,15866.29 h40
  text "Top Overlay" at 130.06,15852 h40
  text "GTO" at 796.07,15852 h40
  text "2" at 19066.15,15783.5 h40
  text "1.150mm (45.28mil)" at 19261.05,15783.5 h40
  text "NPTH" at 19646.13,15783.5 h40
  text "Round" at 19811.11,15783.5 h40
  text "HIGH_SPEED_TOP - HIGH_SPEED_BOT" at 20051.3,15783.5 h40
  text "Pad" at 20777.33,15783.5 h40
  text "Rounded" at 20974.15,15783.5 h40
  text "-" at 21231.26,15783.5 h40
  text "Top Solder" at 130.06,15772 h40
  text "0.025mm" at 557.12,15772 h40
  text "GTS" at 796.07,15772 h40
  text "5" at 19066.15,15700.71 h40
  text "1.270mm (50.00mil)" at 19261.05,15700.71 h40
  text "PTH" at 19646.13,15700.71 h40
  text "Round" at 19811.11,15700.71 h40
  text "HIGH_SPEED_TOP - HIGH_SPEED_BOT" at 20051.3,15700.71 h40
  text "Pad" at 20777.33,15700.71 h40
  text "Rounded" at 20974.15,15700.71 h40
  text "-" at 21231.26,15700.71 h40
  text "Top Surface Finish" at 130.06,15692 h40
  text "0.020mm" at 557.12,15692 h40
  text "B" at 18859.08,15690.72 h36.79
  text "2" at 19066.15,15617.92 h40
  text "1.300mm (51.18mil)" at 19261.05,15617.92 h40
  text "PTH" at 19646.13,15617.92 h40
  text "Round" at 19811.11,15617.92 h40
  text "HIGH_SPEED_TOP - HIGH_SPEED_BOT" at 20051.3,15617.92 h40
  text "Pad" at 20777.33,15617.92 h40
  text "(Mixed)" at 20974.15,15617.92 h40
  text "-" at 21231.26,15617.92 h40
  text "1" at -37.33,15612 h40
  text "HIGH_SPEED_TOP" at 130.06,15612 h40
  text "0.035mm" at 557.12,15612 h40
  text "GTL" at 796.07,15612 h40
  text "2" at 19066.15,15535.14 h40
  text "1.570mm (61.81mil)" at 19261.05,15535.14 h40
  text "PTH" at 19646.13,15535.14 h40
  text "Round" at 19811.11,15535.14 h40
  text "HIGH_SPEED_TOP - HIGH_SPEED_BOT" at 20051.3,15535.14 h40
  text "Pad" at 20777.33,15535.14 h40
  text "Rounded" at 20974.15,15535.14 h40
  text "-" at 21231.26,15535.14 h40
  text "Dielectric 2" at 130.06,15532 h40
  text "0.116mm" at 557.12,15532 h40
  text "2" at -37.37,15452 h40
  text "GND PLANE1" at 130.06,15452 h40
  text "0.015mm" at 557.12,15452 h40
  text "GP1" at 796.07,15452 h40
  text "2" at 19066.15,15452.35 h40
  text "1.600mm (62.99mil)" at 19261.05,15452.35 h40
  text "PTH" at 19646.13,15452.35 h40
  text "Round" at 19811.11,15452.35 h40
  text "HIGH_SPEED_TOP - HIGH_SPEED_BOT" at 20051.3,15452.35 h40
  text "Pad" at 20777.33,15452.35 h40
  text "Rounded" at 20974.15,15452.35 h40
  text "-" at 21231.26,15452.35 h40
  text "Dielectric 3" at 130.06,15372 h40
  text "0.300mm" at 557.12,15372 h40
  text "2" at 19066.15,15369.56 h40
  text "1.650mm (64.96mil)" at 19261.05,15369.56 h40
  text "NPTH" at 19646.13,15369.56 h40
  text "Round" at 19811.11,15369.56 h40
  text "HIGH_SPEED_TOP - HIGH_SPEED_BOT" at 20051.3,15369.56 h40
  text "Pad" at 20777.33,15369.56 h40
  text "Rounded" at 20974.15,15369.56 h40
  text "-" at 21231.26,15369.56 h40
  text "3" at -37.33,15292 h40
  text "LOW_SPEED" at 130.06,15292 h40
  text "0.015mm" at 557.12,15292 h40
  text "G1" at 796.07,15292 h40
  text "4" at 19066.15,15286.77 h40
  text "3.100mm (122.05mil)" at 19261.05,15286.77 h40
  text "PTH" at 19646.13,15286.77 h40
  text "Round" at 19811.11,15286.77 h40
  text "HIGH_SPEED_TOP - HIGH_SPEED_BOT" at 20051.3,15286.77 h40
  text "Pad" at 20777.33,15286.77 h40
  text "Rounded" at 20974.15,15286.77 h40
  text "-" at 21231.26,15286.77 h40
  text "Dielectric 4" at 130.06,15212 h40
  text "0.076mm" at 557.12,15212 h40
  text "2" at 19066.15,15203.99 h40
  text "3.250mm (127.95mil)" at 19261.05,15203.99 h40
  text "NPTH" at 19646.13,15203.99 h40
  text "Round" at 19811.11,15203.99 h40
  text "HIGH_SPEED_TOP - HIGH_SPEED_BOT" at 20051.3,15203.99 h40
  text "Pad" at 20777.33,15203.99 h40
  text "Rounded" at 20974.15,15203.99 h40
  text "-" at 21231.26,15203.99 h40
  text "C" at 18859.08,15193.99 h36.79
  text "Dielectric 5" at 130.06,15132 h40
  text "0.076mm" at 557.12,15132 h40
  text "339 Total" at 19066.15,15121.2 h40
  text "Slot definitions :" at 18878.22,15063.25 h40
  text "Routed Path Length" at 19151.03,15063.25 h40
  text "= Calculated from tool start centre position to tool end centre position." at 19489,15063.25 h40
  text "4" at -37.33,15052 h40
  text "+1V8_3V3_5V" at 130.06,15052 h40
  text "0.015mm" at 557.12,15052 h40
  text "GP2" at 796.07,15052 h40
  text "Hole Length" at 19151.03,15030.13 h40
  text "= Routed Path Length + Tool Size = Slot length as defined in the PCB layout" at 19363.53,15030.13 h40
  text "Dielectric 6" at 130.06,14972 h40
  text "0.300mm" at 557.12,14972 h40
  text "5" at -37.33,14892 h40
  text "+12V" at 130.06,14892 h40
  text "0.015mm" at 557.12,14892 h40
  text "GP3" at 796.07,14892 h40
  text "Dielectric 7" at 130.06,14812 h40
  text "0.076mm" at 557.12,14812 h40
  text "Dielectric 8" at 130.06,14732 h40
  text "0.076mm" at 557.12,14732 h40
  text "6" at -37.33,14652 h40
  text "SIGNAL" at 130.06,14652 h40
  text "0.015mm" at 557.12,14652 h40
  text "G2" at 796.07,14652 h40
  text "Dielectric 9" at 130.06,14572 h40
  text "0.300mm" at 557.12,14572 h40
  text "7" at -37.33,14492 h40
  text "GND_PLANE3" at 130.06,14492 h40
  text "0.015mm" at 557.12,14492 h40
  text "GP4" at 796.07,14492 h40
  text "Dielectric 10" at 130.06,14412 h40
  text "0.116mm" at 557.12,14412 h40
  text "8" at -37.33,14332 h40
  text "HIGH_SPEED_BOT" at 130.06,14332 h40
  text "0.035mm" at 557.12,14332 h40
  text "GBL" at 796.07,14332 h40
  text "Bottom Surface Finish" at 130.06,14252 h40
  text "0.020mm" at 557.12,14252 h40
  text "Bottom Solder" at 130.06,14172 h40
  text "0.025mm" at 557.12,14172 h40
  text "GBS" at 796.07,14172 h40
  text "Bottom Overlay" at 130.06,14092 h40
  text "GBO" at 796.07,14092 h40
  text "Total board thickness:" at -37.33,14012 h40
  text "1.691mm" at 557.12,14012 h40

## Dimensions
0,738.19 to 7874.02,738.19 on Drill Drawing
0,0 to 0,4527.56 on Drill Drawing

## Text inside footprints (layer, text, board x,y; h text height)
C11: Top Overlay "+" at 334.56,3794.11 h40 r90
C169: Top Overlay "+" at 16312.05,13047.86 h40 r180
C173: Top Overlay "+" at 14312.05,13047.86 h40 r180
C177: Top Overlay "+" at 11912.05,13047.86 h40 r180
C181: Top Overlay "+" at 9412.05,13047.86 h40 r180
C186: Top Overlay "+" at 331.67,2821 h40 r90
J2: Mechanical 13 "PCB Edge" at 4.84,3262.77 h40 r270
J3: Mechanical 13 "PCB Edge" at 4.96,2289.68 h40 r270
J6: Top Designator "PCB Edge" at 1657.1,4591.89 h40 r180
J8: Mechanical 13 "PCB Edge" at 7218.65,4556.06 h40 r180
U16: Top Overlay "*" at 4885.99,2474.75 h40 r270; Mechanical 13 "*" at 4842.99,2436 h40 r270
U17: Top Overlay "*" at 4709.16,1958 h40 r270; Mechanical 13 "*" at 4662,1899 h40 r270